# Altium PCB 温度报警器.PcbDoc
Units mil, origin at the board's own origin, x right, y up, seen from the top; angles counter-clockwise.
Board outline 3110 x 2560 mil, 2 copper layers (Top Layer, Bottom Layer); 52 components, 51 nets, 206 pads, 35 vias.
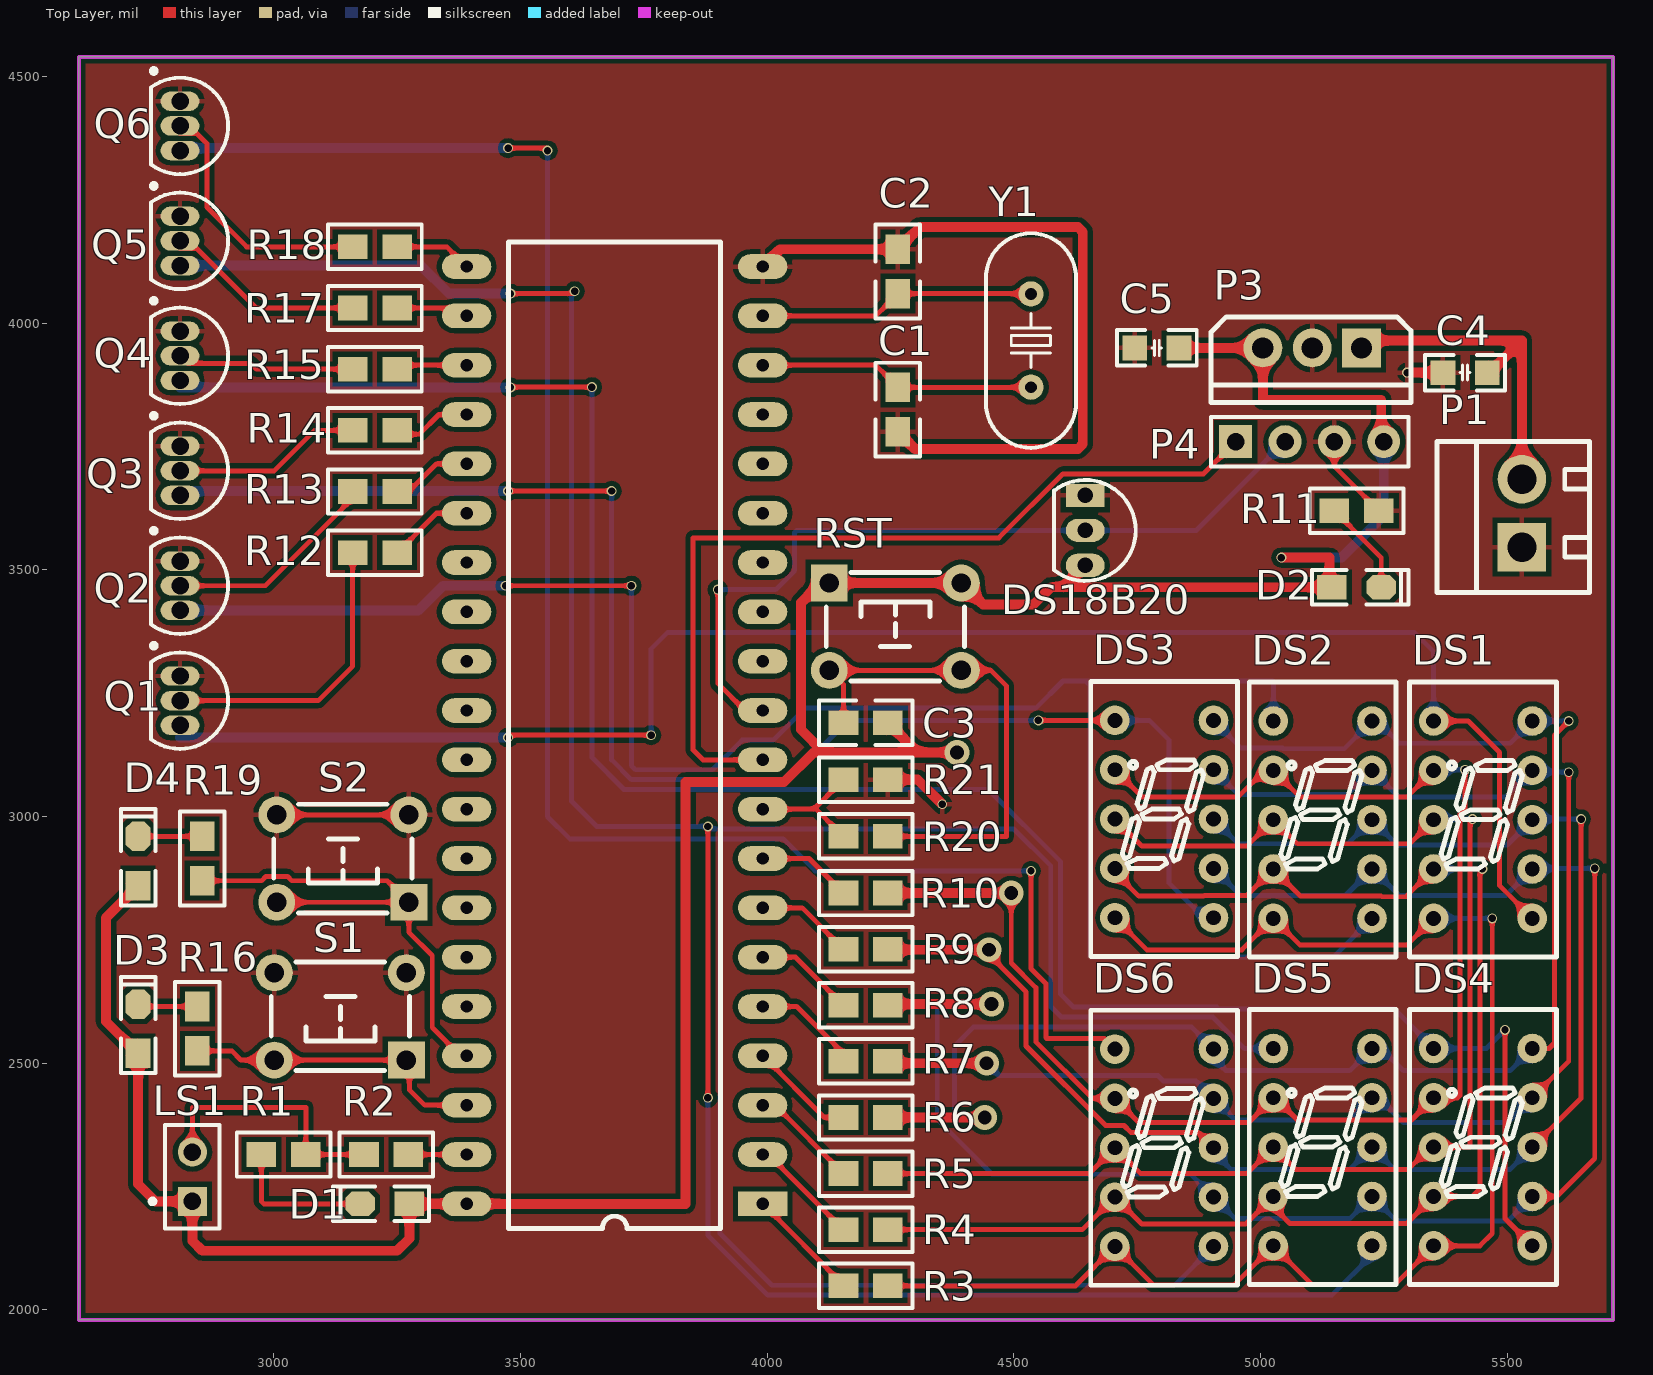
[diagram p0: Top Layer view]
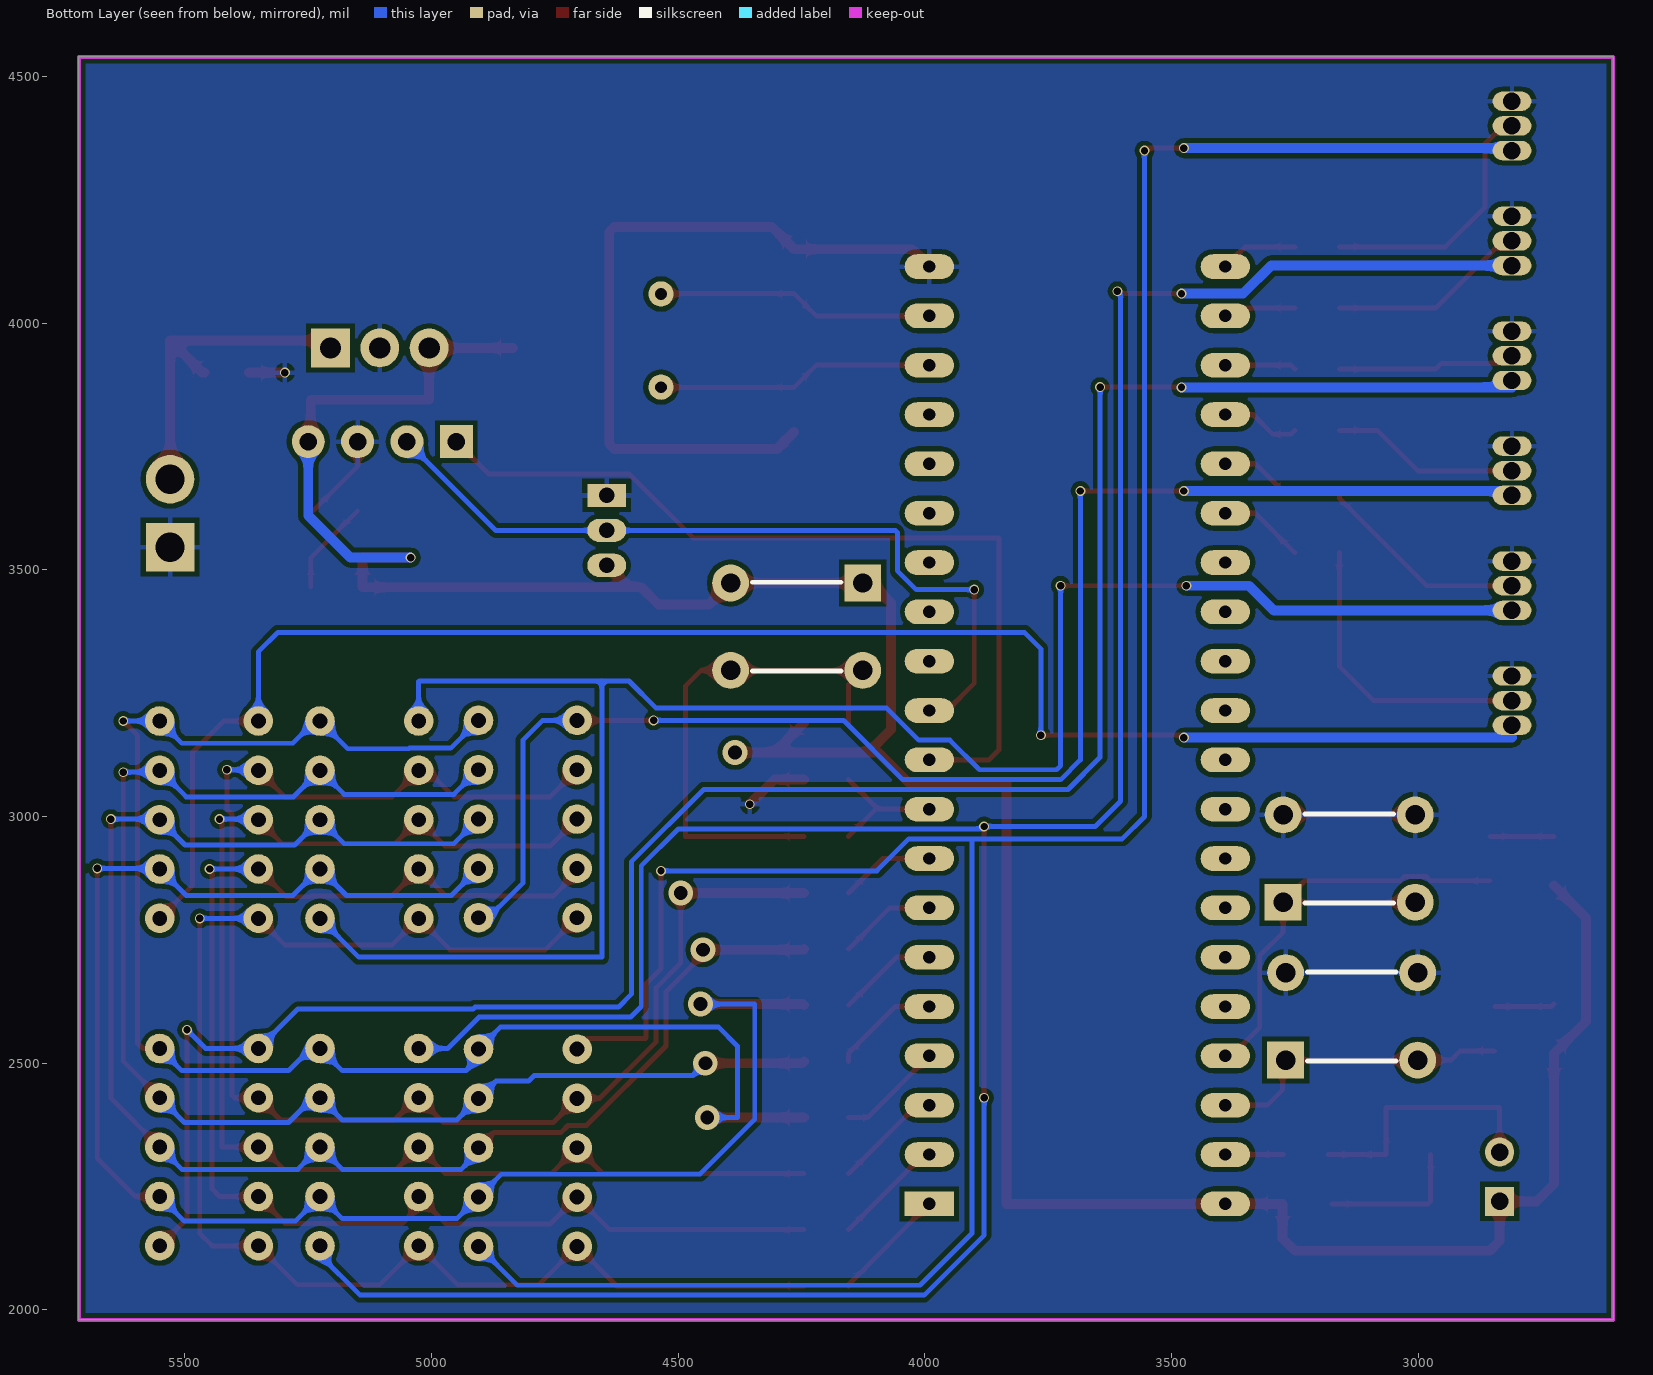
[diagram p1: Bottom Layer view, seen from below]

## Layer stack, top to bottom
Top Solder: solder mask 0.4, Solder Resist, Dk 3.5
Top Layer: signal copper 1.4
Dielectric 1: dielectric 12.6, FR-4, Dk 4.8
Bottom Layer: signal copper 1.4
Bottom Solder: solder mask 0.4, Solder Resist, Dk 3.5

## Board outline
2605,1980 2605,4540 5715,4540 5715,1980

## Design rules (kind name [scope] priority, off if disabled: settings)
Clearance [All] p1: gap=10 ignorepadtopadclearanceinfootprint=FALSE except(0: Arc-Hole Track-Hole SMDPad-Hole THPad-Hole Via-Hole Fill-Hole Poly-Hole Region-Hole Text-Hole)
HoleToHoleClearance [InDrillLayerPair('No Drill Pair')] p1: gap=10 allowstackedmicrovias=TRUE
MinimumSolderMaskSliver [HasFootprint('No Footprint')] p1: minsoldermaskwidth=10
PolygonConnect [All] p1: connectstyle=Relief reliefconductorwidth=10 reliefentries=4 polygonreliefangle="90 Angle" airgapwidth=10
RoutingVias [All] p1: holewidth=15 width=20 viastyle="Through Hole" minholewidth=15 minwidth=15 maxholewidth=28 maxwidth=50
SilkToSilkClearance [HasFootprint('No Footprint')] p1: silktosilkclearance=1
SilkToSolderMaskClearance [HasFootprint('No Footprint')] p1: minsilkscreentomaskgap=10 clearancetoexposedcopper=TRUE
SolderMaskExpansion [All] p1: expansion=4
Width [All] p1: maxlimit=100 minlimit=10 preferedwidth=20
26 further rules are at their usual default settings.

## Classes and differential pairs
component class 温度报警器: C1 C2 C3 C4 C5 D1 D2 D3 D4 DS1 DS2 DS3 DS4 DS5 DS6 LS1 P1 P3 P4 Q1 Q2 Q3 Q4 Q5 Q6 R1 R2 R3 R4 R5 R6 R7 R8 R9 R10 R11 R12 R13 R14 R15 R16 R17 R18 R19 R20 R21 RST S1 S2

## Components (designator, comment, footprint, x,y, rotation, side; value= is the part's Value field where it differs from the comment)
C1 "Cap" 0805C 4265,3780 r90 top value=30pF
C2 "Cap" 0805C 4265,4150 r270 top value=30pF
C3 "Cap" 0805C 4245,3190 r180 top value=104
C4 "Cap" "C 0805_M" 5415,3900 r0 top value=100pF
C5 "Cap" "C 0805_M" 4790,3950 r0 top value=100pF
D1 "Diode" "LED 0805W" 3225,2215 r180 top
D2 "Diode" "LED 0805W" 5195,3465 r0 top
D3 "Diode" "LED 0805W" 2725,2570 r90 top
D4 "Diode" "LED 0805W" 2725,2910 r90 top
DS1 "Dpy Amber-CA" "数码管 - aaa" 5460,2960 r90 top
DS2 "Dpy Amber-CA" "数码管 - aaa" 5135,2960 r90 top
DS3 "Dpy Amber-CA" "数码管 - aaa" 4813.82,2961.26 r90 top
DS4 "Dpy Amber-CA" "数码管 - aaa" 5460,2296.26 r90 top
DS5 "Dpy Amber-CA" "数码管 - aaa" 5135,2296.26 r90 top
DS6 "Dpy Amber-CA" "数码管 - aaa" 4813.82,2295 r90 top
DS18B20 "Comment" TO92A 4645,3580.13 r180 top
LS1 "Speaker" PIN2 2835,2220 r90 top
P1 "MHDR1X2" KF350-2P 5530,3615 r90 top
P3 "Header 3" TO220A 5105,3950 r180 top
P4 "Header 4" HDR2.54-LI-4P 5100,3760 r0 top
Q1 "2N3904" TO-92A 2810,3234.99 r180 top
Q2 "2N3904" TO-92A 2810,3467.99 r180 top
Q3 "2N3904" TO-92A 2810,3700.99 r180 top
Q4 "2N3904" TO-92A 2810,3933.99 r180 top
Q5 "2N3904" TO-92A 2810,4167 r180 top
Q6 "2N3904" TO-92A 2810,4400 r180 top
R1 "Res2" 0805R 2975,2315 r0 top value=1K
R2 "Res2" 0805R 3273.01,2315 r180 top value=510
R3 "Res2" 0805R 4245,2048.93 r180 top value=510
R4 "Res2" 0805R 4245,2162.65 r180 top value=510
R5 "Res2" 0805R 4245,2276.38 r180 top value=510
R6 "Res2" 0805R 4245,2390.1 r180 top value=510
R7 "Res2" 0805R 4245,2503.83 r180 top value=510
R8 "Res2" 0805R 4245,2617.55 r180 top value=510
R9 "Res2" 0805R 4245,2731.28 r180 top value=510
R10 "Res2" 0805R 4245,2845 r180 top value=510
R11 "Res2" 0805R 5150,3620 r0 top value=1K
R12 "Res2" 0805R 3250,3535 r180 top value=510
R13 "Res2" 0805R 3250,3659 r180 top value=510
R14 "Res2" 0805R 3250,3783 r180 top value=510
R15 "Res2" 0805R 3250,3907 r180 top value=510
R16 "Res2" 0805R 2845,2615 r270 top value=1K
R17 "Res2" 0805R 3250,4031 r180 top value=510
R18 "Res2" 0805R 3250,4155 r180 top value=510
R19 "Res2" 0805R 2855,2960 r270 top value=1K
R20 "Res2" 0805R 4245,2960 r180 top value=10K
R21 "Res2" 0805R 4155,3075 r0 top value=1K
RST "SW-PB" "TSW DIP-6*6*6" 4260,3385 r0 top (schematic designator S3)
S1 "SW-PB" "TSW DIP-6*6*6" 3135,2595 r180 top
S2 "SW-PB" "TSW DIP-6*6*6" 3140,2915 r180 top
Y1 "XTAL" "OSC HC-49S" 4535,3965 r270 top
? "89C52" DIP40 3991.02,2215 r180 top

## Footprints (in the part's own frame and the unit in brackets; to place one, negate y for a bottom-side part, rotate by r counter-clockwise, add the part's x,y. Pads: shape width x height; smd on the part's side, far side on the other; paste and mask are expansions set on the pad)
0805C [mil] "2.0mmx1.2mm（蒜米工坊）"
  rect 60x50 smd: 1(0,0) 2(90,0)
  silkscreen extent -50,-45 140,45, body extent 5,-25 83,25, height 22
0805R [mil]
  rect 60x50 smd: 1(0,0) 2(90,0)
  silkscreen extent -50,-45 140,45, body extent 5,-25 83,25, height 22
"C 0805_M" [mil] "无极性贴片电容"
  rect 50x50 smd: 1(-45,0) 2(45,0)
  silkscreen extent -81,-36 81,36, body extent -39,-24 39,24, height 20
DIP40 [mil] "40脚300mil直插集成电路（蒜米工坊）"
  rect 100x50 hole 25: 1(0,0)
  oval 100x50 hole 25: 2(0,-100) 3(0,-200) 4(0,-300) 5(0,-400) 6(0,-500) 7(0,-600) 8(0,-700) 9(0,-800) 10(0,-900) 11(0,-1000) 12(0,-1100) 13(0,-1200) 14(0,-1300) 15(0,-1400) 16(0,-1500) 17(0,-1600) 18(0,-1700) 19(0,-1800) 20(0,-1900) 21(600,-1900) 22(600,-1800) 23(600,-1700) 24(600,-1600) 25(600,-1500) 26(600,-1400) 27(600,-1300) 28(600,-1200) 29(600,-1100) 30(600,-1000) 31(600,-900) 32(600,-800) 33(600,-700) 34(600,-600) 35(600,-500) 36(600,-400) 37(600,-300) 38(600,-200) 39(600,-100) 40(600,0)
  silkscreen extent 85,-1950 515,50, body extent -5,-1985 605,80, height 224
HDR2.54-LI-4P [mm] "排针，4脚"
  rect 1.7x1.7 hole 0.9: 1(-3.81,0)
  round 1.7 hole 0.9: 2(-1.27,0) 3(1.27,0) 4(3.81,0)
  silkscreen extent -5.08,-1.27 5.08,1.27, body extent -5.08,-1.27 5.08,1.27, height 8.5
KF350-2P [mm] "可拼接端子/10A"
  rect 2.5x2.5 hole 1.5: 1(-1.75,0)
  round 2.5 hole 1.5: 2(1.75,0)
  silkscreen extent -4.09,-3.48 3.69,4.37, body extent -3.9,-3.3 3.5,4.2, height 10
"LED 0805W" [mil] "白色0805LED"
  rect 60x50 smd: 1(-50,0)
  oct 60x50 smd: 2(50,0)
  silkscreen extent -90,-35 105,35, body extent -39,-25 39,25, height 32
"OSC HC-49S" [mm]
  round 1.3 hole 0.6: 1(-2.4,0) 2(2.4,0)
  silkscreen extent -5.52,-2.32 5.52,2.33, body extent -5.52,-2.32 5.53,2.33, height 4.13
PIN2 [mm] "Photosensitive Diode; 2 Leads"
  rect 1.5x1.5 hole 0.9: 1(0,0)
  round 1.5 hole 0.9: 2(2.54,0)
  silkscreen extent -1.4,-1.4 3.94,2.17
TO92A [mm] "92晶体管"
  rect 2x1.2 hole 0.8: 1(0,-1.8)
  oval 2x1.2 hole 0.8: 2(0,0) 3(0,1.8)
  silkscreen extent -2.6,-2.6 1.6,2.6, body extent -2.3,-2.3 1.3,2.3, height 7.6
TO220A [mm] "220，3脚晶体管"
  rect 2x2 hole 1.1: 1(-2.54,0)
  round 2 hole 1.1: 2(0,0) 3(2.54,0)
  silkscreen extent -5.08,-1.6 5.21,2.82, body extent -5.15,-1.53 5.15,2.9, height 18.5
TO-92A [mm] "TO, Flat Index; 3 In-Line, Axial Leads; Body Dia. 4.5mm; Leads 0.51 x 0.48 mm (max)"
  oval 2x1 hole 0.9: 1(0,-1.27) 2(0,0) 3(0,1.27)
  silkscreen extent -2.48,-2.95 1.5,2.48, body extent -2.48,-2.5 1.5,2.5, height 6.86
"TSW DIP-6*6*6" [mm] "6*6*6mm"
  rect 1.9x1.9 hole 1: 1(-3.4,2.25)
  round 1.9 hole 1: 2(-3.4,-2.25) 3(3.4,-2.25) 4(3.4,2.25)
  silkscreen extent -3.56,-2.79 3.56,2.79, body extent -4.11,-3 4.11,3, height 5.95
"数码管 - aaa" [mil]
  round 60 hole 30: 1(-166.26,-91.18) 2(-66.26,-91.18) 3(33.74,-91.18) 4(133.74,-91.18) 5(233.74,-91.18) 6(233.74,108.82) 7(133.74,108.82) 8(33.74,108.82) 9(-66.26,108.82) 10(-166.26,108.82)
  silkscreen extent -245,-140 312,158

## Part data
C1 C2 C3 C4 C5: "Capacitor", LatestRevisionDate=17-Jul-2002, LatestRevisionNote="Re-released for DXP Platform.", PackageDescription="Radial Cap, Thru-Hole; 2 Leads; 0.3 in Pin Spacing", PackageReference=RAD-0.3, Published=8-Jun-2000, Publisher="Altium Limited"
D1 D2 D3 D4: "Default Diode", Code_JEDEC=DO-214-AB, LatestRevisionDate=17-Jul-2002, LatestRevisionNote="Re-released for DXP Platform.", PackageDescription="DO-214-AB/SMC; 2 C-Bend Leads; Body 7.9 x 5.9 mm, inc. leads (LxW)", PackageReference=SMC, PackageVersion=Sep-1996, Published=8-Jun-2000, Publisher="Altium Limited"
DS1 DS2 DS3 DS4 DS5 DS6: "7.62 mm Black Surface Orange 7-Segment Display: CA, RH DP", Colour=Orange, ComponentLink1Description="Manufacturer Link", ComponentLink1URL=http://www.agilent.com/, DatasheetVersion=19-Feb-2002, LatestRevisionDate=17-Dec-2003, LatestRevisionNote="Schematic revised, PCB Footprint replaced.", MinimumIntensity="354 ucd", Note="IF = 5 mA", PackageDescription="LED, 7-Segment Display, 7.62 mm, RHD; 10 Leads; Row Space 5.08 mm; Pitch 2.54 mm", PackageReference=A, PackageVersion=11-Feb-2002, Published=8-Jun-2000, Publisher="Altium Limited"
LS1: "Loudspeaker", LatestRevisionDate=17-Jul-2002, LatestRevisionNote="Re-released for DXP Platform.", PackageReference=PIN2, Published=24-Mar-1999, Publisher="Altium Limited"
P1: "Header, 2-Pin", LatestRevisionDate=17-Jul-2002, LatestRevisionNote="Re-released for DXP Platform.", Publisher="Altium Limited"
P3: "Header, 3-Pin", LatestRevisionDate=17-Jul-2002, LatestRevisionNote="Re-released for DXP Platform.", Publisher="Altium Limited"
P4: "Header, 4-Pin", LatestRevisionDate=17-Jul-2002, LatestRevisionNote="Re-released for DXP Platform.", Publisher="Altium Limited"
Q1 Q2 Q3 Q4 Q5 Q6: "NPN General Purpose Amplifier", ComponentLink1Description="Manufacturer Link", ComponentLink1URL=http://www.fairchildsemi.com/, ComponentLink2Description=Datasheet, ComponentLink2URL=http://www.fairchildsemi.com/ds/2N%2F2N3904.pdf, DatasheetVersion=1997, LatestRevisionDate=15-Jan-2003, LatestRevisionNote="PCB Footprint 'BCY-W3/D4.7' replaced", PackageDescription="TO, Flat Index; 3 In-Line, Axial Leads; Body Dia. 4.5mm; Leads 0.51 x 0.48 mm (max)", PackageReference=TO-92A, PackageVersion=Sep-1998, Published=8-Jun-2000, Publisher="Altium Limited"
R1 R2 R3 R4 R5 R6 R7 R8 R9 R10 R11 R12 R13 R14 R15 R16 R17 R18 R19 R20 R21: "Resistor", LatestRevisionDate=17-Jul-2002, LatestRevisionNote="Re-released for DXP Platform.", PackageDescription="Axial Device, Thru-Hole; 2 Leads; 0.4 in Pin Spacing", PackageReference=AXIAL-0.4, Published=8-Jun-2000, Publisher="Altium Limited"
RST S1 S2: "Switch", LatestRevisionDate=17-Jul-2002, LatestRevisionNote="Re-released for DXP Platform.", PackageDescription="Switch; 2 Leads", PackageReference=SPST-2, Published=24-Mar-1999, Publisher="Altium Limited"
Y1: "Crystal Oscillator", LatestRevisionDate=17-Jul-2002, LatestRevisionNote="Re-released for DXP Platform.", PackageDescription="Crystal, Thru-Hole; 2 Leads; Body 3.1 x 8.2 mm (Dia.xH)", PackageReference=R38, Published=8-Jun-2000, Publisher="Altium Limited"

## Via types
v1: diameter 20, hole 15, Top Layer to Bottom Layer, 29 vias
v2: diameter 50, hole 28, Top Layer to Bottom Layer, 6 vias

## Nets (pads, with @x,y where several pads share a name; then routed paths per layer and width w, separated by ;. In a path a pad name is that pad's centre, name@x,y a point inside that pad or via, vN(x,y) a via of type N, cw(c..) or ccw(c..) an arc to the next point about the centre after c; other vN are vias at no path point)
+5: ?.40 C3.1 C5.2 D1.1 D2.1 D3.1 D4.1 DS18B20.3 LS1.1 P3.3 P4.4 RST.1 RST.4 | length 6124.9
  Top Layer w20: D4.1 2660,2795 2660,2585 D3.1 2725,2255 2760,2220 LS1.1 2835,2140 2855,2120 3250,2120 3275,2145 D1.1 ?.40 3835,2215 3835,3070 4034.66,3070 4094.66,3130 4115,3130 ; C3.1 4305,3130 ; v2(4385,3130) 4305,3130 ; DS18B20.3 4600.74,3465 ; C5.2 P3.3 5005,3845 5245,3845 5245,3765 P4.4 ; v1(5042.44,3525) 5140,3525 5140,3465 4600.74,3465 ; 4115,3130 4305,3130 ; 4115,3130 4068.74,3176.26 4068.74,3433.74 4108.58,3473.58 RST.1 RST.4 4437.44,3430 4540,3430 4575,3465 4600.74,3465
  Bottom Layer w20: v1(5042.44,3525) 5165,3525 5250,3610 P4.4
a: DS1.10 DS2.10 DS3.10 DS4.10 DS5.10 DS6.10 R3.1 | length 2900.3
  Top Layer w10: R3.1 4625.19,2048.93 DS6.10 4782.72,2051.02 4947.2,2051.02 DS5.10 5105.16,2051.02 5272.2,2051.02 DS4.10 5445,2130 5470,2155 v1(5470,2793.74) ; DS3.10 4770,2730 4962.44,2730 DS2.10 5079.92,2740 5297.44,2740 DS1.10
  Bottom Layer w10: DS1.10 v1(5470,2793.74)
b: DS1.9 DS2.9 DS3.9 DS4.9 DS5.9 DS6.9 R4.1 | length 2830.6
  Top Layer w10: R4.1 4638.91,2162.65 DS6.9 4760,2173.74 4969.92,2173.74 DS5.9 5026.18,2208.82 5060,2175 5296.18,2175 DS4.9 5430,2230 5445,2245 5445,2888.74 v1(5450,2893.74) ; DS3.9 4705,2887.36 4753.62,2838.74 4885.1,2838.74 4886.36,2840 4972.44,2840 DS2.9 5081.18,2838.74 5244.82,2838.74 5246,2837.56 5295,2837.56 DS1.9
  Bottom Layer w10: DS1.9 v1(5450,2893.74)
c: DS1.8 DS2.8 DS3.8 DS4.8 DS5.8 DS6.8 R5.1 | length 2754.7
  Top Layer w10: R5.1 4652.64,2276.38 DS6.8 4757.36,2276.38 4972.56,2276.38 DS5.8 5071.18,2285 5300,2285 DS4.8@5345,2330 ; DS3.8 4760,2940 4972.44,2940 DS2.8 5074.92,2945 5302.44,2945 DS1.8 DS1.8@5352.44,2995 ; DS4.8 5425,2330 5425,2990 v1(5430,2995)
  Bottom Layer w10: DS1.8@5352.44,2995 v1(5430,2995)
COM1: DS6.1 DS6.6 Q6.3 | length 5496.1
  Top Layer w10: v1(3475,4355) 3550,4355 v1(3555,4350) ; v1(4535,2890) 4535,2691.57 4565,2661.57 4565,2551.67 4566.67,2550 4683.74,2550 DS6.6
  Bottom Layer w10: v1(3555,4350) 3555,3000 3600,2955 4032.59,2955 4097.59,2890 v1(4535,2890) ; 3905,2950 3905,2155 4010,2050 4826.26,2050 DS6.1
  Bottom Layer w20: Q6.3 2815,4355 v1(3475,4355)
COM2: DS5.1 DS5.6 Q5.3 | length 5936.7
  Top Layer w10: v1(3480,4060) 3605,4060 v1(3610,4065) ; v1(3880,2430) v1(3880,2980)
  Bottom Layer w10: v1(3610,4065) 3603.28,4058.28 3603.28,3031.72 3655,2980 v1(3880,2980) 3885,2975 4500,2975 4575,2900 4575,2615 4596.26,2593.74 4903.64,2593.74 4967.38,2530 DS5.6 ; v1(3880,2430) 3880,2151.72 4001.72,2030 5145,2030 5226.18,2111.18 DS5.1
  Bottom Layer w20: Q5.3 3298,4117 3355,4060 v1(3480,4060)
COM3: DS4.1 DS4.6 Q4.3 | length 4328.3
  Top Layer w10: v1(3480,3870) 3480.51,3870.51 v1(3645,3870.51) ; v1(5495.81,2567.71) 5495.81,2185.37 DS4.1
  Bottom Layer w10: Q4.3@2810,3870 Q4.3 ; v1(3645,3870.51) 3645,3120 3710,3055 4448.28,3055 4595,2908.28 4595,2640 4621.26,2613.74 4911.92,2613.74 4915.66,2610 5271.18,2610 DS4.6 5458.1,2530 v1(5495.81,2567.71)
  Bottom Layer w20: Q4.3@2810,3870 v1(3480,3870)
COM4: DS3.1 DS3.6 Q3.3 | length 3050.8
  Top Layer w10: v1(3475,3660) v1(3685,3660) ; v1(4550,3195) DS3.6
  Bottom Layer w10: Q3.3 Q3.3@2810,3660 ; v1(3685,3660) 3685,3115 3725,3075 4045,3075 4165,3195 v1(4550,3195) ; DS3.6 4775,3195 4815,3155 4815,2865 4885,2795 DS3.1
  Bottom Layer w20: Q3.3@2810,3660 v1(3475,3660)
COM5: DS2.1 DS2.6 Q2.3 | length 3923.9
  Top Layer w10: v1(3470,3467.99) v1(3725,3467.99)
  Bottom Layer w10: v1(3725,3467.99) 3725,3103.28 3733.28,3095 3889.45,3095 3949.45,3155 4012.59,3155 4077.59,3220 4545,3220 4600,3275 4655,3275 ; DS2.6 5026.18,3273.82 5025,3275 4655,3275 ; DS2.1 5147.44,2715 4655,2715 4655,3275
  Bottom Layer w20: Q2.3 3292.99,3417.99 3342.99,3467.99 v1(3470,3467.99)
COM6: DS1.1 DS1.6 Q1.3 | length 3439.4
  Top Layer w10: v1(3475,3160) 3480,3165 v1(3765,3165) ; DS1.6 5421.26,3193.74 5485,3130 5485,2859.92 DS1.1
  Bottom Layer w10: 2810,3160 Q1.3 ; v1(3765,3165) 3765,3340 3798.58,3373.58 5311.42,3373.58 5351.18,3333.82 DS1.6 ; DS1.1 DS1.1@5552.44,2795
  Bottom Layer w20: 2810,3160 v1(3475,3160)
d: DS1.5 DS2.5 DS3.5 DS4.5 DS5.5 DS6.5 R6.1 | length 3211.5
  Top Layer w10: DS4.5 5585,2530 5596.18,2541.18 5596.18,3164.92 v1(5625,3193.74)
  Top Layer w20: R6.1 v2(4441.17,2390.1)
  Bottom Layer w10: v2(4441.17,2390.1) 4380.1,2390.1 4380.1,2535.1 4418.74,2573.74 4860,2573.74 DS6.5 4905,2510 4930,2485 5181.18,2485 DS5.5 5245,2530 5290,2485 5506.18,2485 DS4.5 ; DS3.5 4961.26,3138.74 5044.82,3138.74 5046,3137.56 5170,3137.56 DS2.5 5236.26,3193.74 5281.26,3148.74 5506.18,3148.74 DS1.5 v1(5625,3193.74)
DP: DS1.7 DS2.7 DS3.7 DS4.7 DS5.7 DS6.7 R10.1 | length 3030.1
  Top Layer w10: v2(4495,2845) 4495,2703.28 4545,2653.28 4545,2543.38 4659.64,2428.74 DS6.7 4753.74,2380 4976.18,2380 DS5.7 5040,2430 5040,2420.1 5075.1,2385 5306.18,2385 DS4.7 5400,2430 5405,2435 5405,3005.36 5415,3015.36 v1(5415,3095) ; DS3.7 4760,3040 4955,3040 5008.74,3093.74 DS2.7 5079.92,3040 5297.44,3040 DS1.7 DS1.7@5352.44,3095
  Top Layer w20: R10.1 v2(4495,2845)
  Bottom Layer w10: DS1.7@5352.44,3095 v1(5415,3095)
e: DS1.4 DS2.4 DS3.4 DS4.4 DS5.4 DS6.4 R7.1 | length 2913
  Top Layer w10: DS4.4 5625,2503.82 v1(5625,3090)
  Top Layer w20: R7.1 4248.83,2500 v2(4445,2500)
  Bottom Layer w10: v2(4445,2500) 4470,2475 4792.38,2475 4803.64,2463.74 4870,2463.74 DS6.4 4948.74,2385 5181.18,2385 DS5.4 5240,2430 5290,2380 5501.18,2380 DS4.4 ; DS3.4 4955,3045 5177.44,3045 DS2.4 5279.92,3040 5497.44,3040 DS1.4 5554.92,3090 v1(5625,3090)
f: DS1.2 DS2.2 DS3.2 DS4.2 DS5.2 DS6.2 R8.1 | length 3513.7
  Top Layer w10: DS4.2 5600.68,2230 5677.73,2307.05 v1(5677.73,2895)
  Top Layer w20: R8.1 4247.45,2620 v2(4455,2620)
  Bottom Layer w10: v2(4455,2620) 4345,2620 4345,2386.14 4456.14,2275 4858.74,2275 DS6.2 4948.74,2185 5181.18,2185 DS5.2 5276.18,2180 5501.18,2180 DS4.2 ; DS3.2 4960,2840 5172.44,2840 DS2.2 5227.52,2893.74 5281.26,2840 5497.44,2840 DS1.2 5552.44,2895 v1(5677.73,2895)
g: DS1.3 DS2.3 DS3.3 DS4.3 DS5.3 DS6.3 R9.1 | length 3157.1
  Top Layer w10: v2(4450,2730) 4450,2720 4525,2645 4525,2535.1 4686.36,2373.74 4723.64,2373.74 4737.38,2360 4873.74,2360 DS6.3 ; DS4.3 5650,2428.82 v1(5650,2995)
  Top Layer w20: R9.1 4246.27,2730 v2(4450,2730)
  Bottom Layer w10: DS6.3 4905,2320 4940,2285 5181.18,2285 DS5.3 5271.18,2285 5506.18,2285 DS4.3 ; DS3.3 4955,2945 5177.44,2945 DS2.3 5277.36,2942.56 5500,2942.56 DS1.3 5552.44,2995 v1(5650,2995)
GND: ?.20 C1.1 C2.1 C4.1 C5.1 DS18B20.1 P1.1 P3.2 P4.3 Q1.1 Q2.1 Q3.1 Q4.1 Q5.1 Q6.1 R11.2 R21.2 S1.2 S1.3 S2.2 S2.3 | length 2158.2
  Top Layer w10: S2.3 S2.2 ; P4.3 5150,3710 R11.2
  Top Layer w20: ?.20 4026.02,4150 C2.1 4310,4195 4630,4195 4640,4185 4640,3755 4630,3745 4300,3745 C1.1 ; R21.2 4305,3075 v1(4355,3025) ; v1(5297.44,3900) C4.1
Net_1: ?.1 R3.2 | length 234
  Top Layer w10: ?.1 4155,2051.02 R3.2
Net_2: ?.2 R4.2 | length 227.1
  Top Layer w10: ?.2 4002.65,2315 R4.2
Net_3: ?.3 R5.2 | length 221.4
  Top Layer w10: ?.3 4016.38,2415 R5.2
Net_4: ?.4 R6.2 | length 215.7
  Top Layer w10: ?.4 4115.92,2390.1 R6.2
Net_5: ?.5 R7.2 | length 219.5
  Top Layer w10: ?.5 4060,2615 4155,2520 R7.2
Net_6: ?.6 R8.2 | length 204.3
  Top Layer w10: ?.6 4057.55,2715 R8.2
Net_7: ?.7 R9.2 | length 198.7
  Top Layer w10: ?.7 4071.28,2815 R9.2
Net_8: ?.8 R10.2 | length 193
  Top Layer w10: ?.8 4085,2915 R10.2
Net_21: ?.21 R18.1 | length 157.6
  Top Layer w10: R18.1 3351.02,4155 ?.21
Net_22: ?.22 R17.1 | length 147.6
  Top Layer w10: R17.1 3375.02,4031 ?.22
Net_23: ?.23 R15.1 | length 144.3
  Top Layer w10: R15.1 3258,3915 ?.23
Net_24: ?.24 R14.1 | length 160.9
  Top Layer w10: R14.1 3258,3775 3295,3775 3335,3815 ?.24
Net_25: ?.25 R13.1 | length 164.2
  Top Layer w10: R13.1 3274,3659 3330,3715 ?.25
Net_26: ?.26 R12.1 | length 174.2
  Top Layer w10: R12.1 3330,3615 ?.26
NetC3_2: C3.2 R20.1 RST.2 RST.3 | length 1035.2
  Top Layer w10: C3.2 4155,3267.56 RST.2 RST.3 4453.58,3296.42 4485,3265 4485,2960 R20.1
NetC4_2: C4.2 P1.2 P3.1 | length 709.2
  Top Layer w20: P3.1 5220,3965 5530,3965 ; C4.2 5465,3900 5530,3965 ; P1.2 5530,3965
NetD1_2: D1.2 R1.1 | length 297.1
  Top Layer w10: R1.1 2975,2220 2980,2215 D1.2
NetD2_2: D2.2 R11.1 | length 194.4
  Top Layer w10: R11.1 5245,3525 D2.2
NetD3_2: D3.2 R16.1 | length 122.1
  Top Layer w10: D3.2 2730,2615 R16.1
NetD4_2: D4.2 R19.1 | length 130
  Top Layer w10: D4.2 R19.1
NetLS1_2: LS1.2 R1.2 R2.2 | length 533
  Top Layer w10: LS1.2 2835,2410 3065,2410 R1.2 R2.2
NetQ1_2: Q1.2 R12.2 | length 609
  Top Layer w10: Q1.2 3090,3234.99 3160,3304.99 R12.2
NetQ2_2: Q2.2 R13.2 | length 437.3
  Top Layer w10: Q2.2 2982.99,3467.99 3160,3645 R13.2
NetQ3_2: Q3.2 R14.2 | length 384
  Top Layer w10: Q3.2 3000.99,3700.99 3083,3783 R14.2
NetQ4_2: Q4.2 R15.2 | length 361.2
  Top Layer w10: Q4.2 2825.31,3918.68 2953.32,3918.68 2965,3907 R15.2
NetQ5_2: Q5.2 R17.2 | length 415.3
  Top Layer w10: Q5.2 2810,4151.68 2844.05,4151.68 2964.73,4031 R17.2
NetQ6_2: Q6.2 R18.2 | length 535.9
  Top Layer w10: Q6.2 2810,4384.68 2844.05,4384.68 2864.37,4364.37 2864.37,4235.63 2945,4155 R18.2
P0.0: ?.39 R2.1 | length 118
  Top Layer w10: R2.1 ?.39
P0.1: ?.38 R16.2 S1.1 S1.4 | length 623.3
  Top Layer w10: R16.2 2915,2525 2933.58,2506.42 S1.4 S1.1 3275,2500.28 3275,2446.14 3306.14,2415 ?.38
P0.2: ?.37 R19.2 S2.1 S2.4 | length 1079.1
  Top Layer w10: R19.2 2975.62,2870 2984.44,2878.82 3027.85,2878.82 3036.67,2870 3230.28,2870 S2.1 ; S2.4 S2.1 ; ?.37 3378.74,2515 3321.26,2572.48 3321.26,2718.45 3273.86,2765.85 S2.1
RST: ?.9 R20.2 R21.1 | length 272.6
  Top Layer w10: ?.9@3990,3015 4095,3015 ; R20.2 4100,3015 4095,3015 ; R21.1 4095,3015
RXD: ?.10 P4.1 | length 1760.1
  Top Layer w10: ?.10 3870,3115 3850,3135 3850,3565 4469.93,3565 4599.42,3694.49 4884.49,3694.49 P4.1
TXD: ?.11 DS18B20.2 P4.2 | length 1623.5
  Top Layer w10: v1(3900,3460) 3900,3270 3955,3215 ?.11
  Bottom Layer w10: v1(3900,3460) 4017.59,3460 4056.02,3498.43 4056.02,3576.02 4060,3580 4870,3580 P4.2
XTAL_1: ?.19 C2.2 Y1.1 | length 563.9
  Top Layer w10: ?.19@3990,4015 4220,4015 C2.2 4534.49,4060 Y1.1
XTAL_2: ?.18 C1.2 Y1.2 | length 563.9
  Top Layer w10: ?.18@3990,3915 4220,3915 C1.2 4534.49,3870 Y1.2
pads on no net: ?.12 ?.13 ?.14 ?.15 ?.16 ?.17 ?.27 ?.28 ?.29 ?.30 ?.31 ?.32 ?.33 ?.34 ?.35 ?.36

## Polygon pours and split planes (outlines as drawn)
GND on Top Layer "Top Layer-GND" (solid, remove dead copper, pour order 48): 2280,4790 2290,4780 6080,4780 6080,1840 5970,1730 5915,1785 2255,1785
GND on Bottom Layer "Bottom Layer-GND" (solid, remove dead copper, pour order 50): 2280,4810 2290,4800 6080,4800 6080,1860 5970,1750 5915,1805 2255,1805

## Keep-outs
Keep-Out Layer:
  the board outline again, w8